# Altium PCB SupplyBox_v4.PcbDoc (part 1 of 2)
Units mil, origin at the board's own origin, x right, y up, seen from the top; angles counter-clockwise.
Board outline 7450 x 9000 mil, 6 copper layers (Top Layer, +50V, +5V, Internal, -50V, Bottom Layer), stack 60.56 mil thick; 252 components, 122 nets, 898 pads, 473 vias.
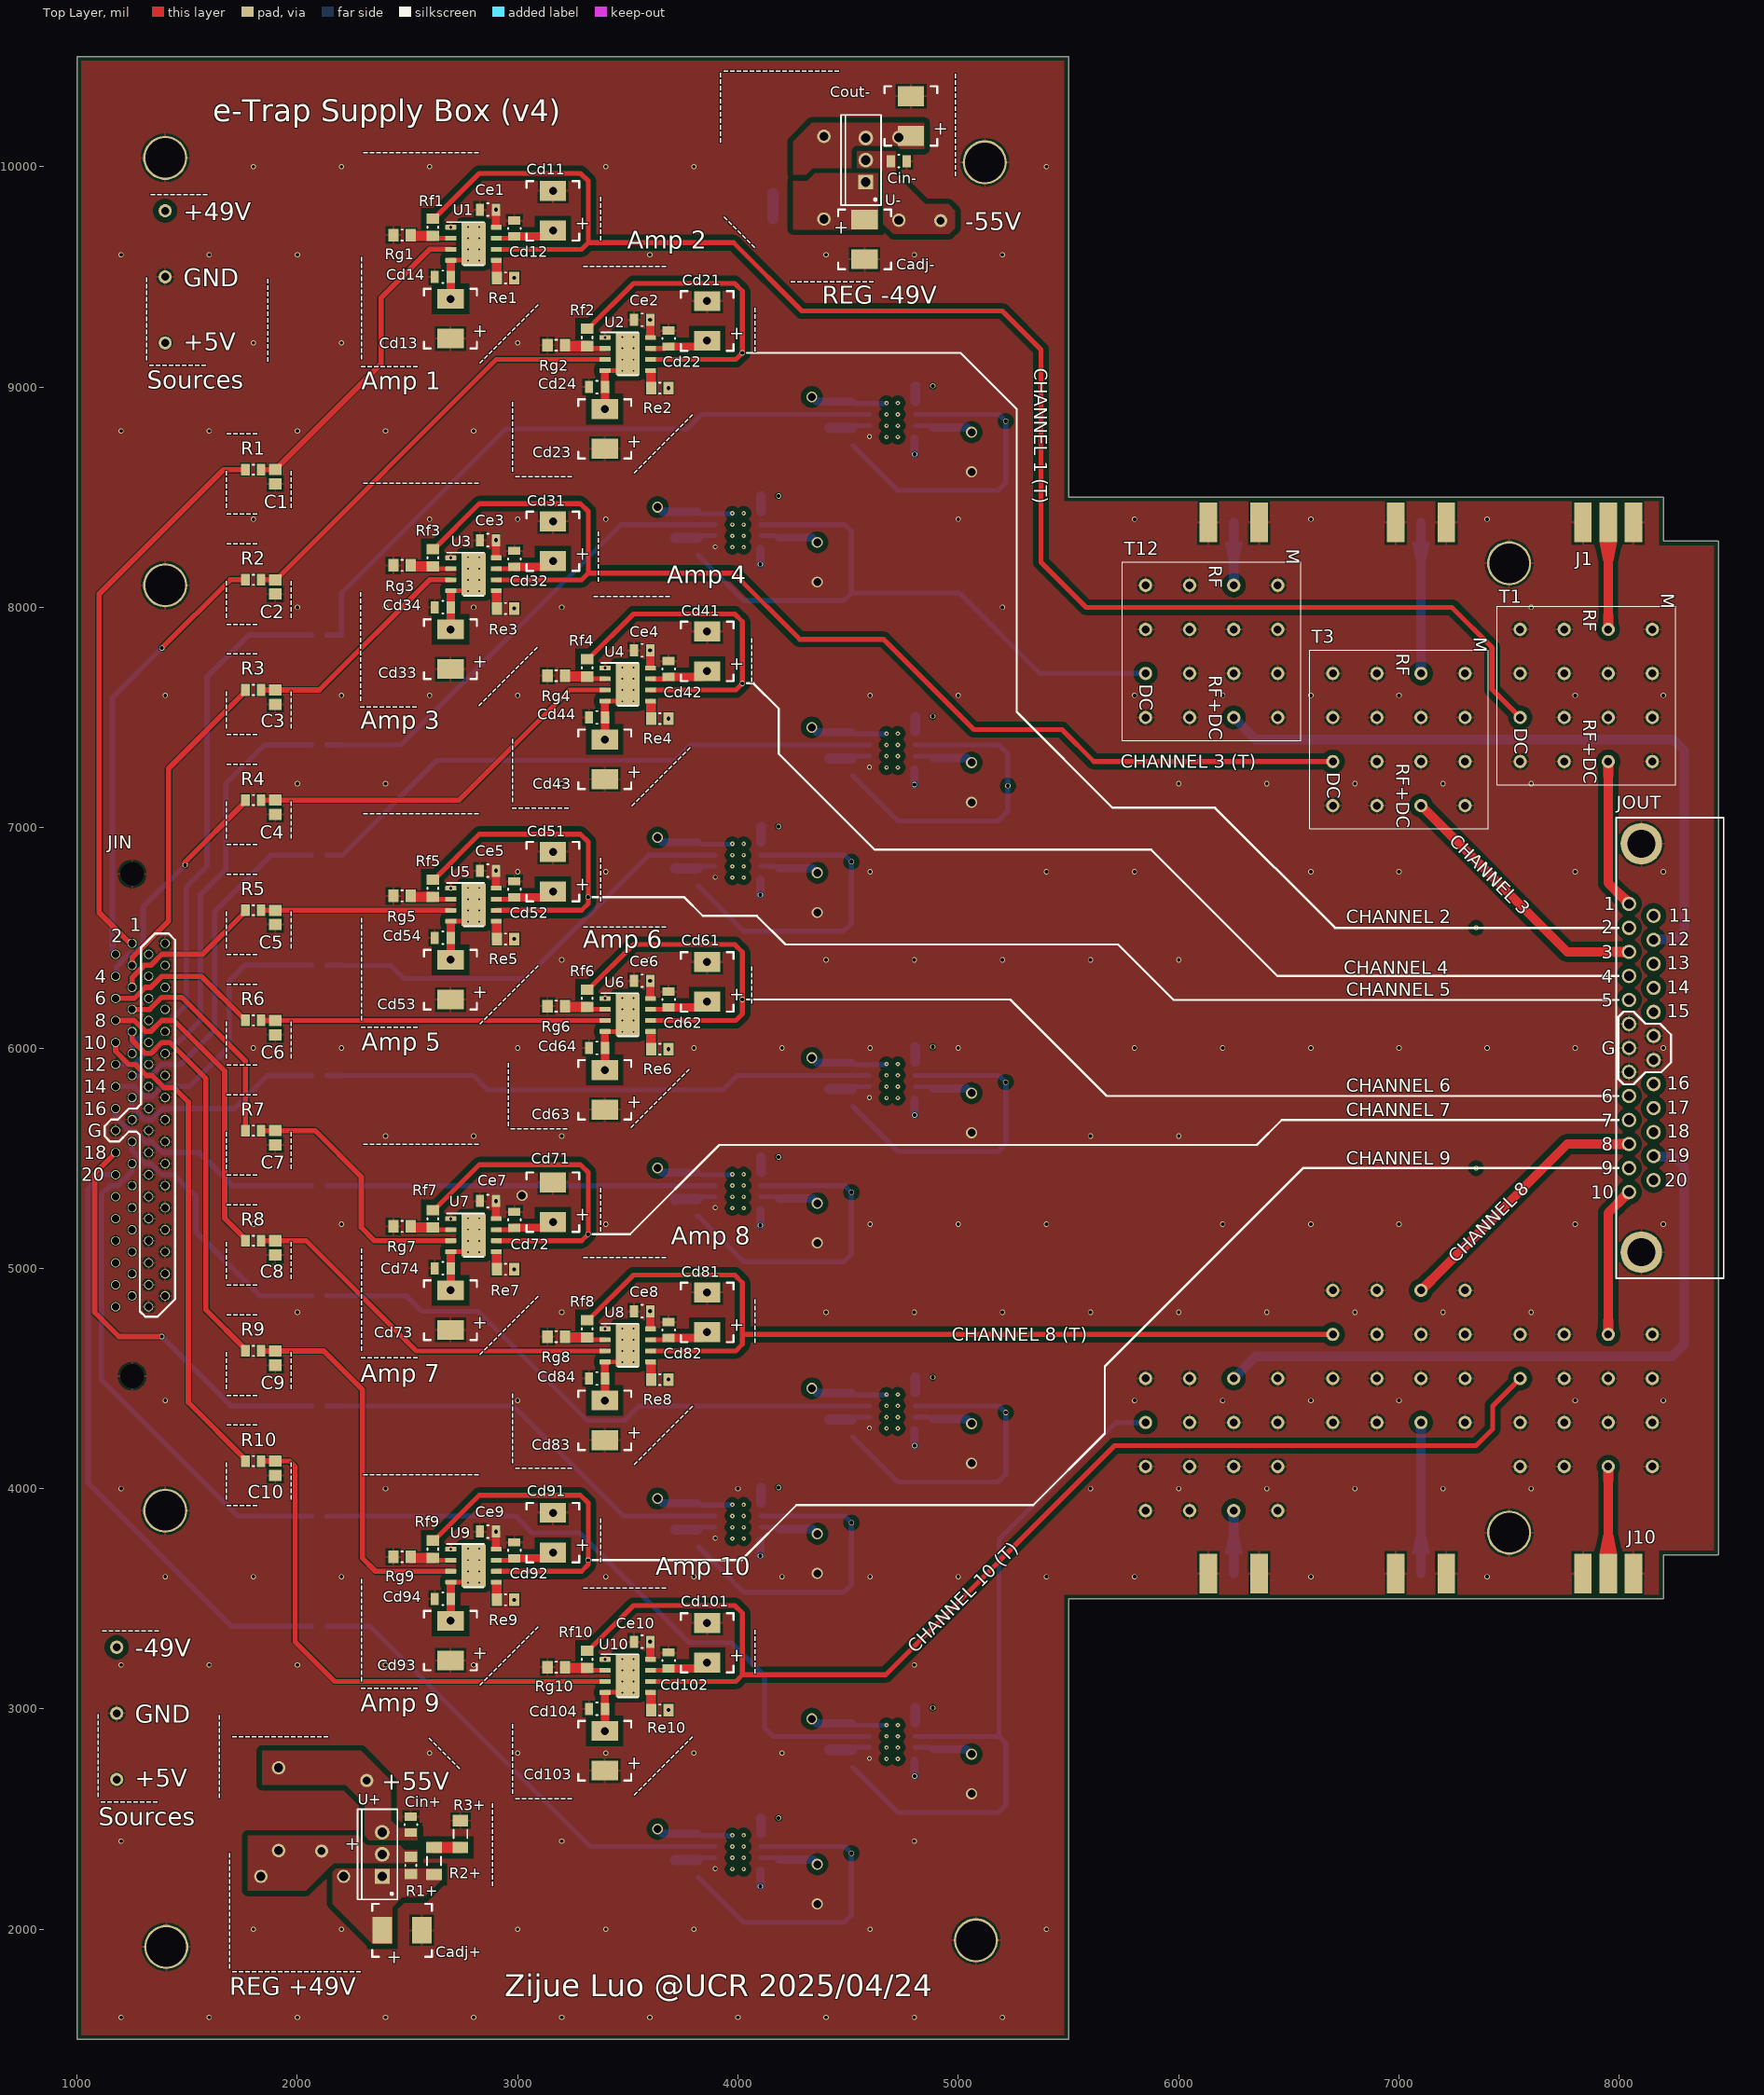
[diagram p0: Top Layer view]
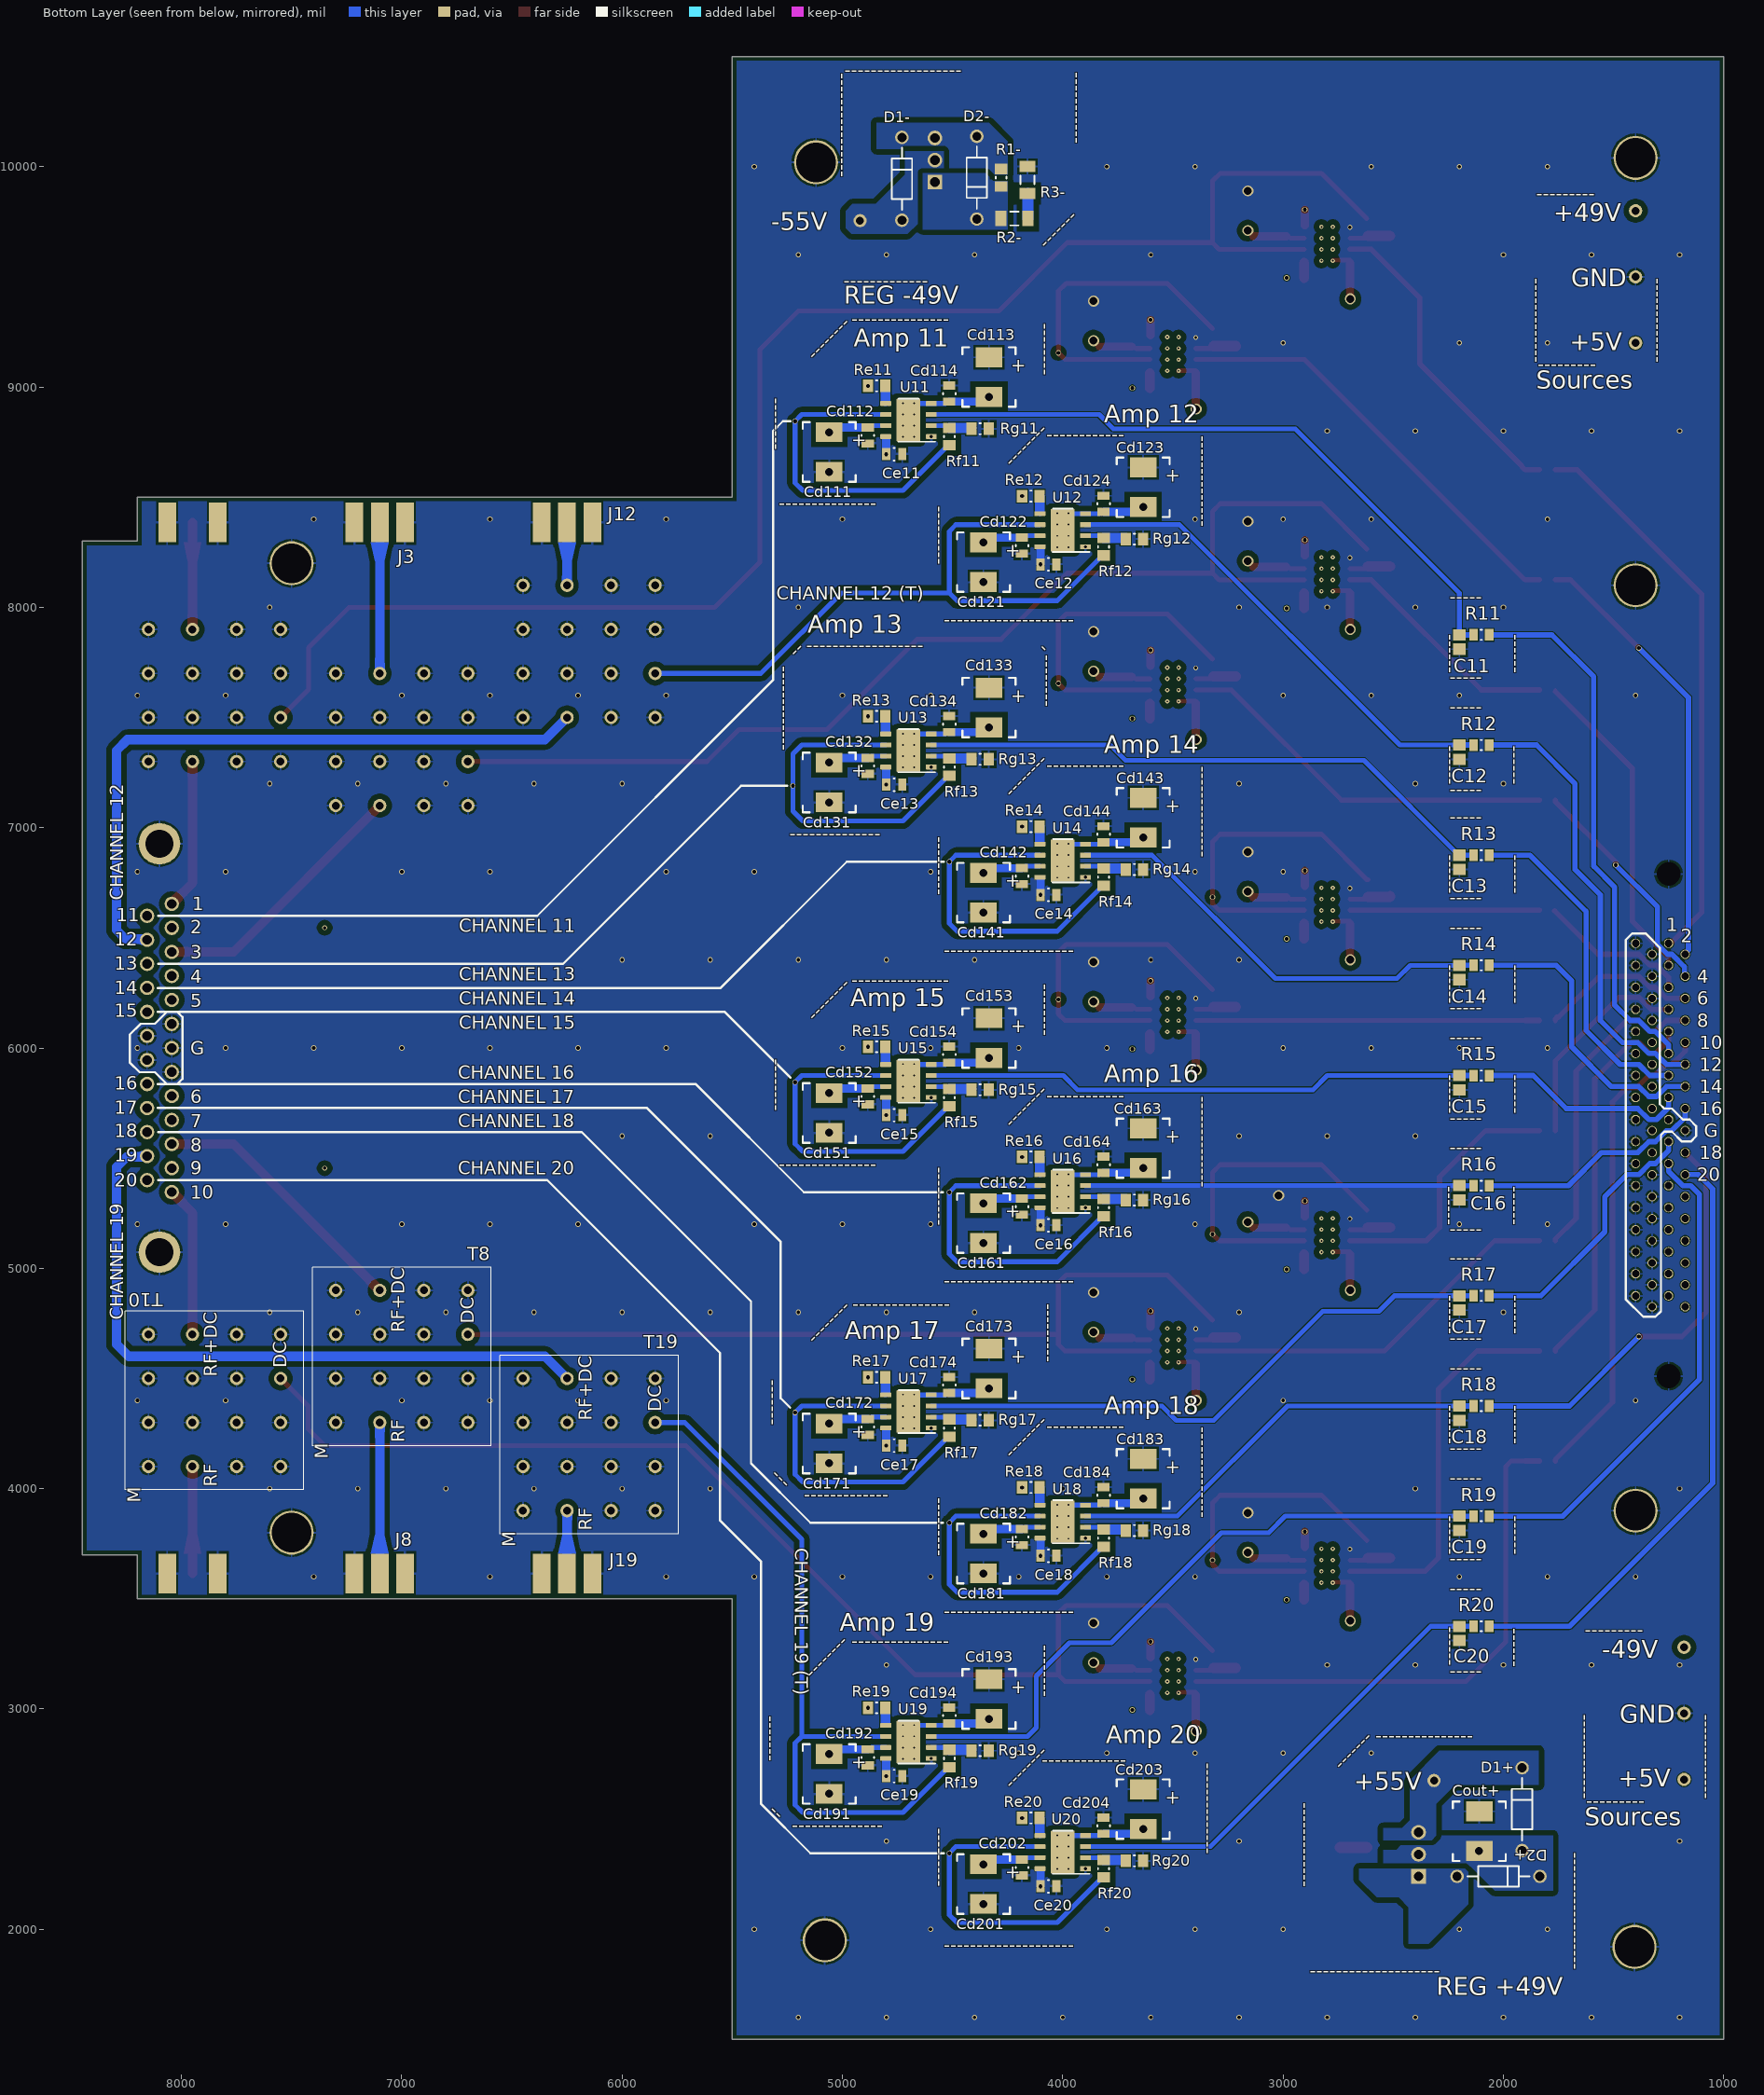
[diagram p1: Bottom Layer view, seen from below]
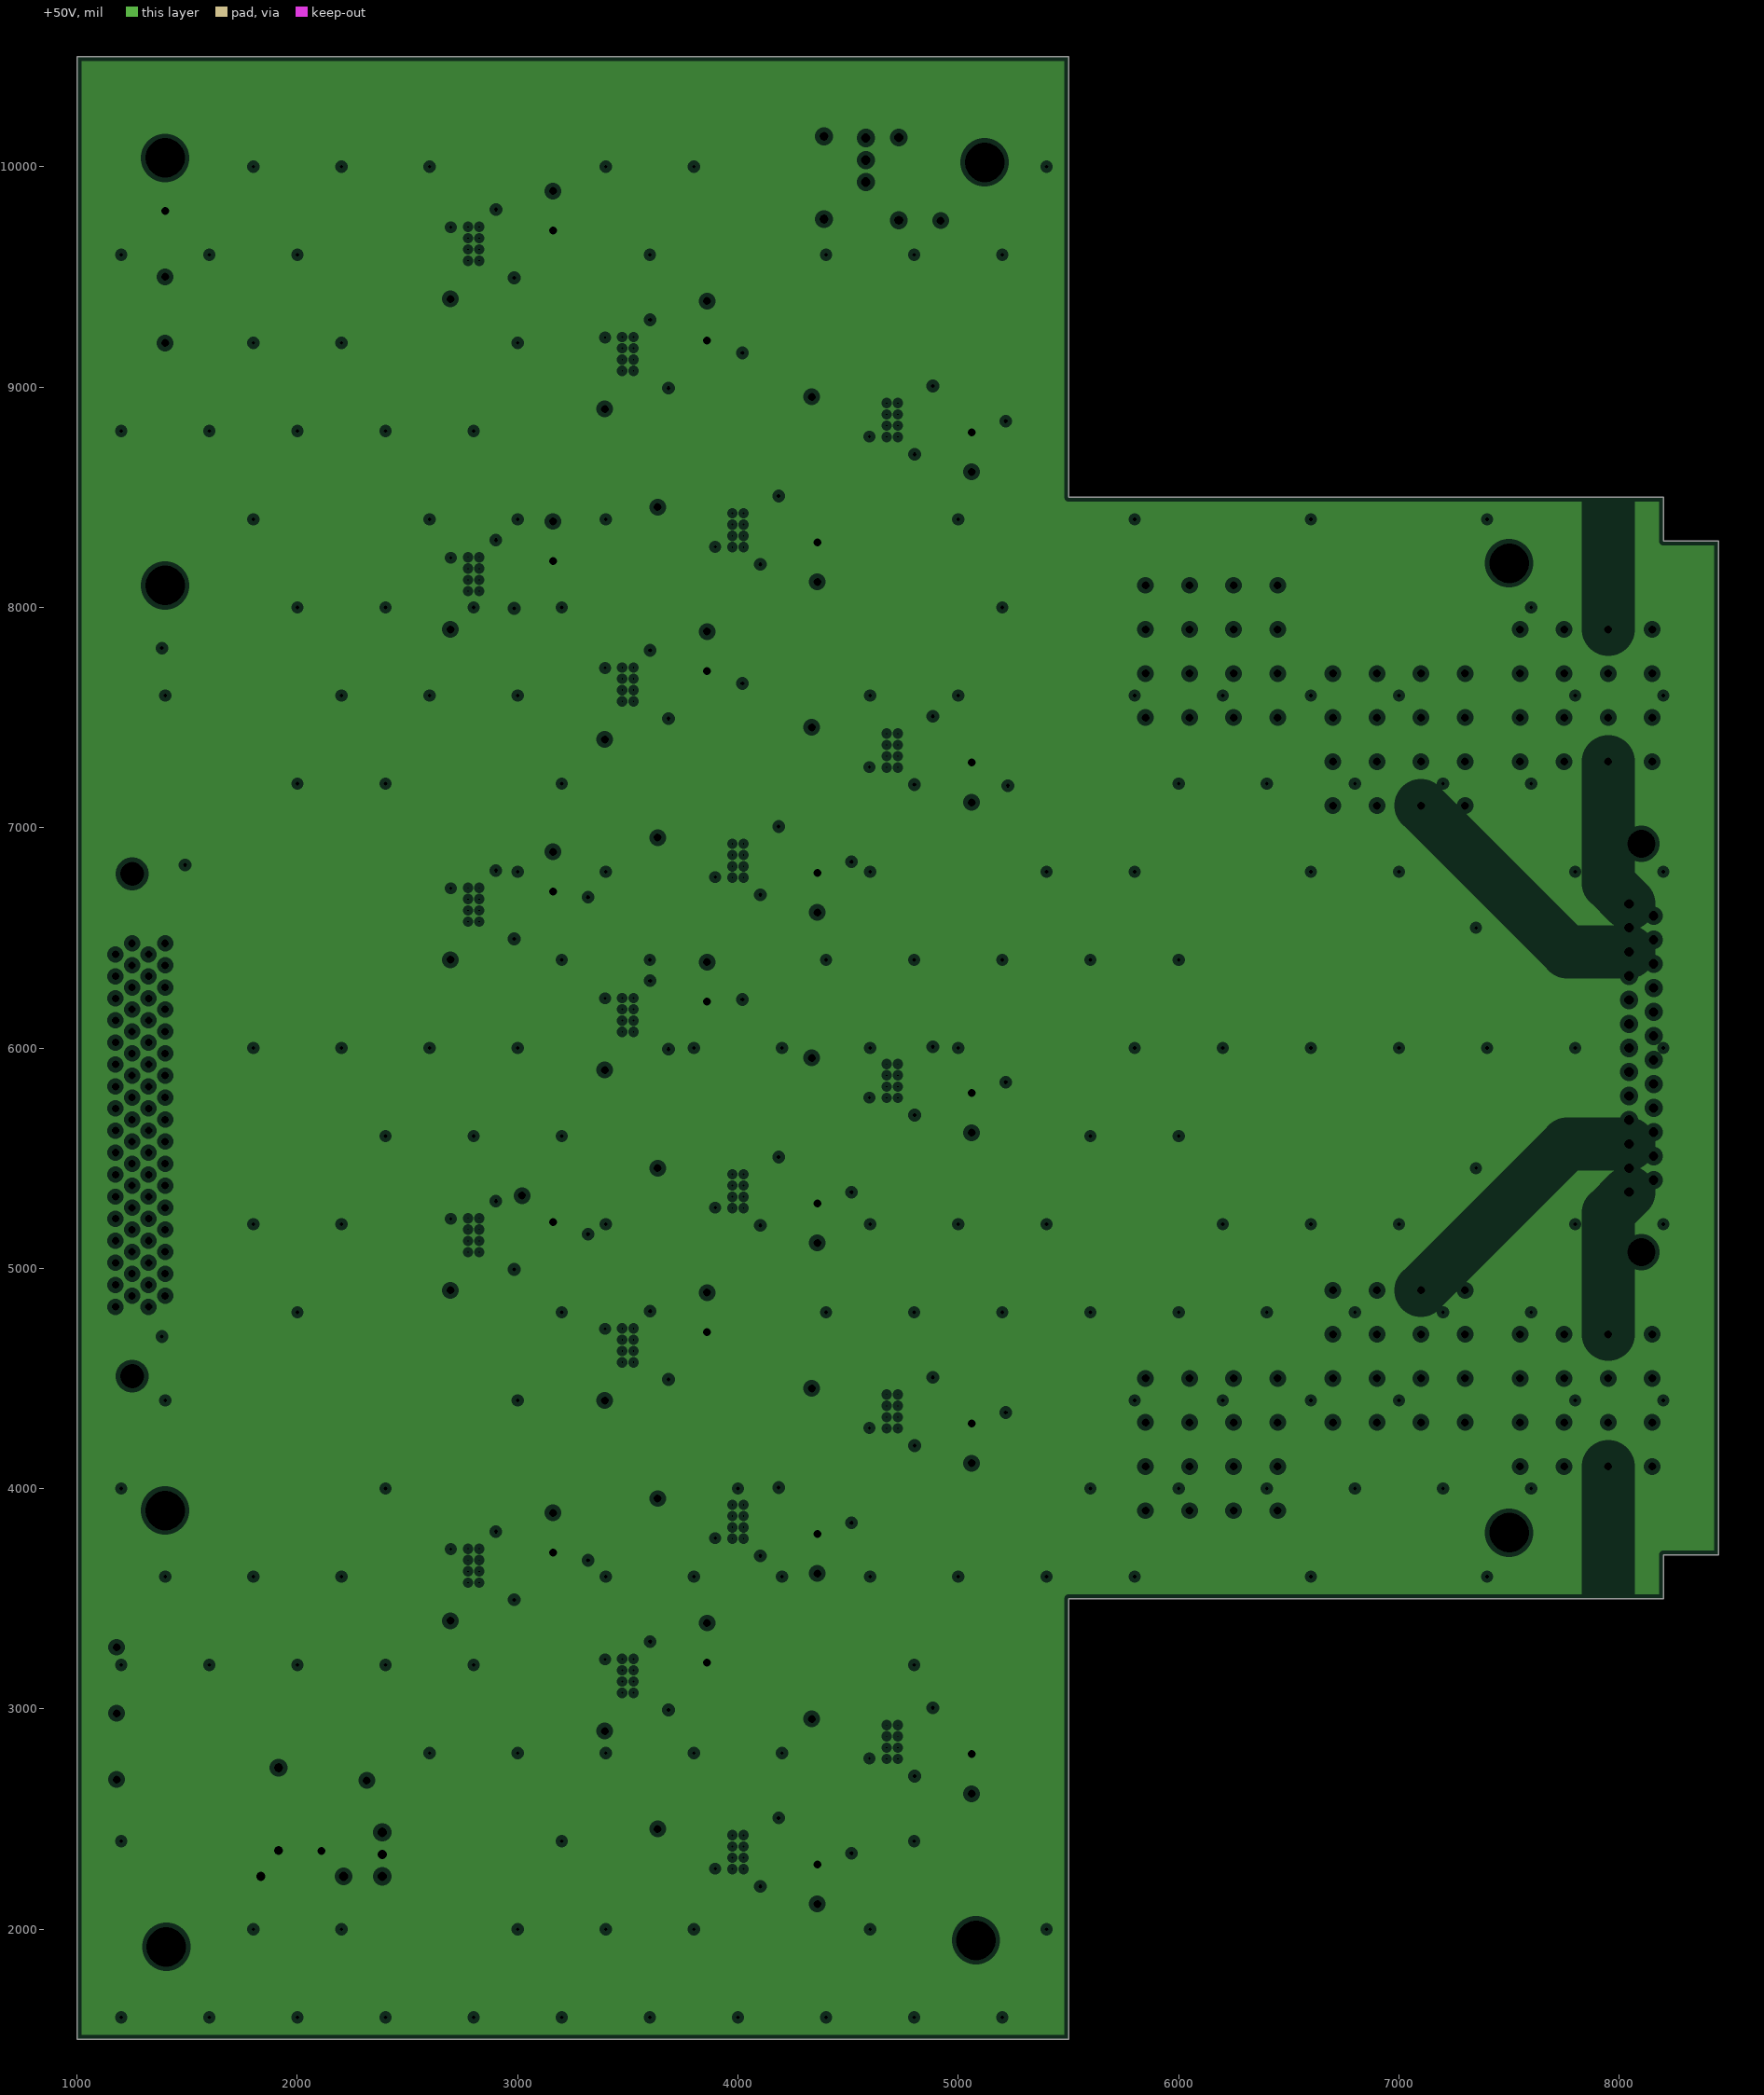
[diagram p2: +50V, clearances drawn from the general rule]
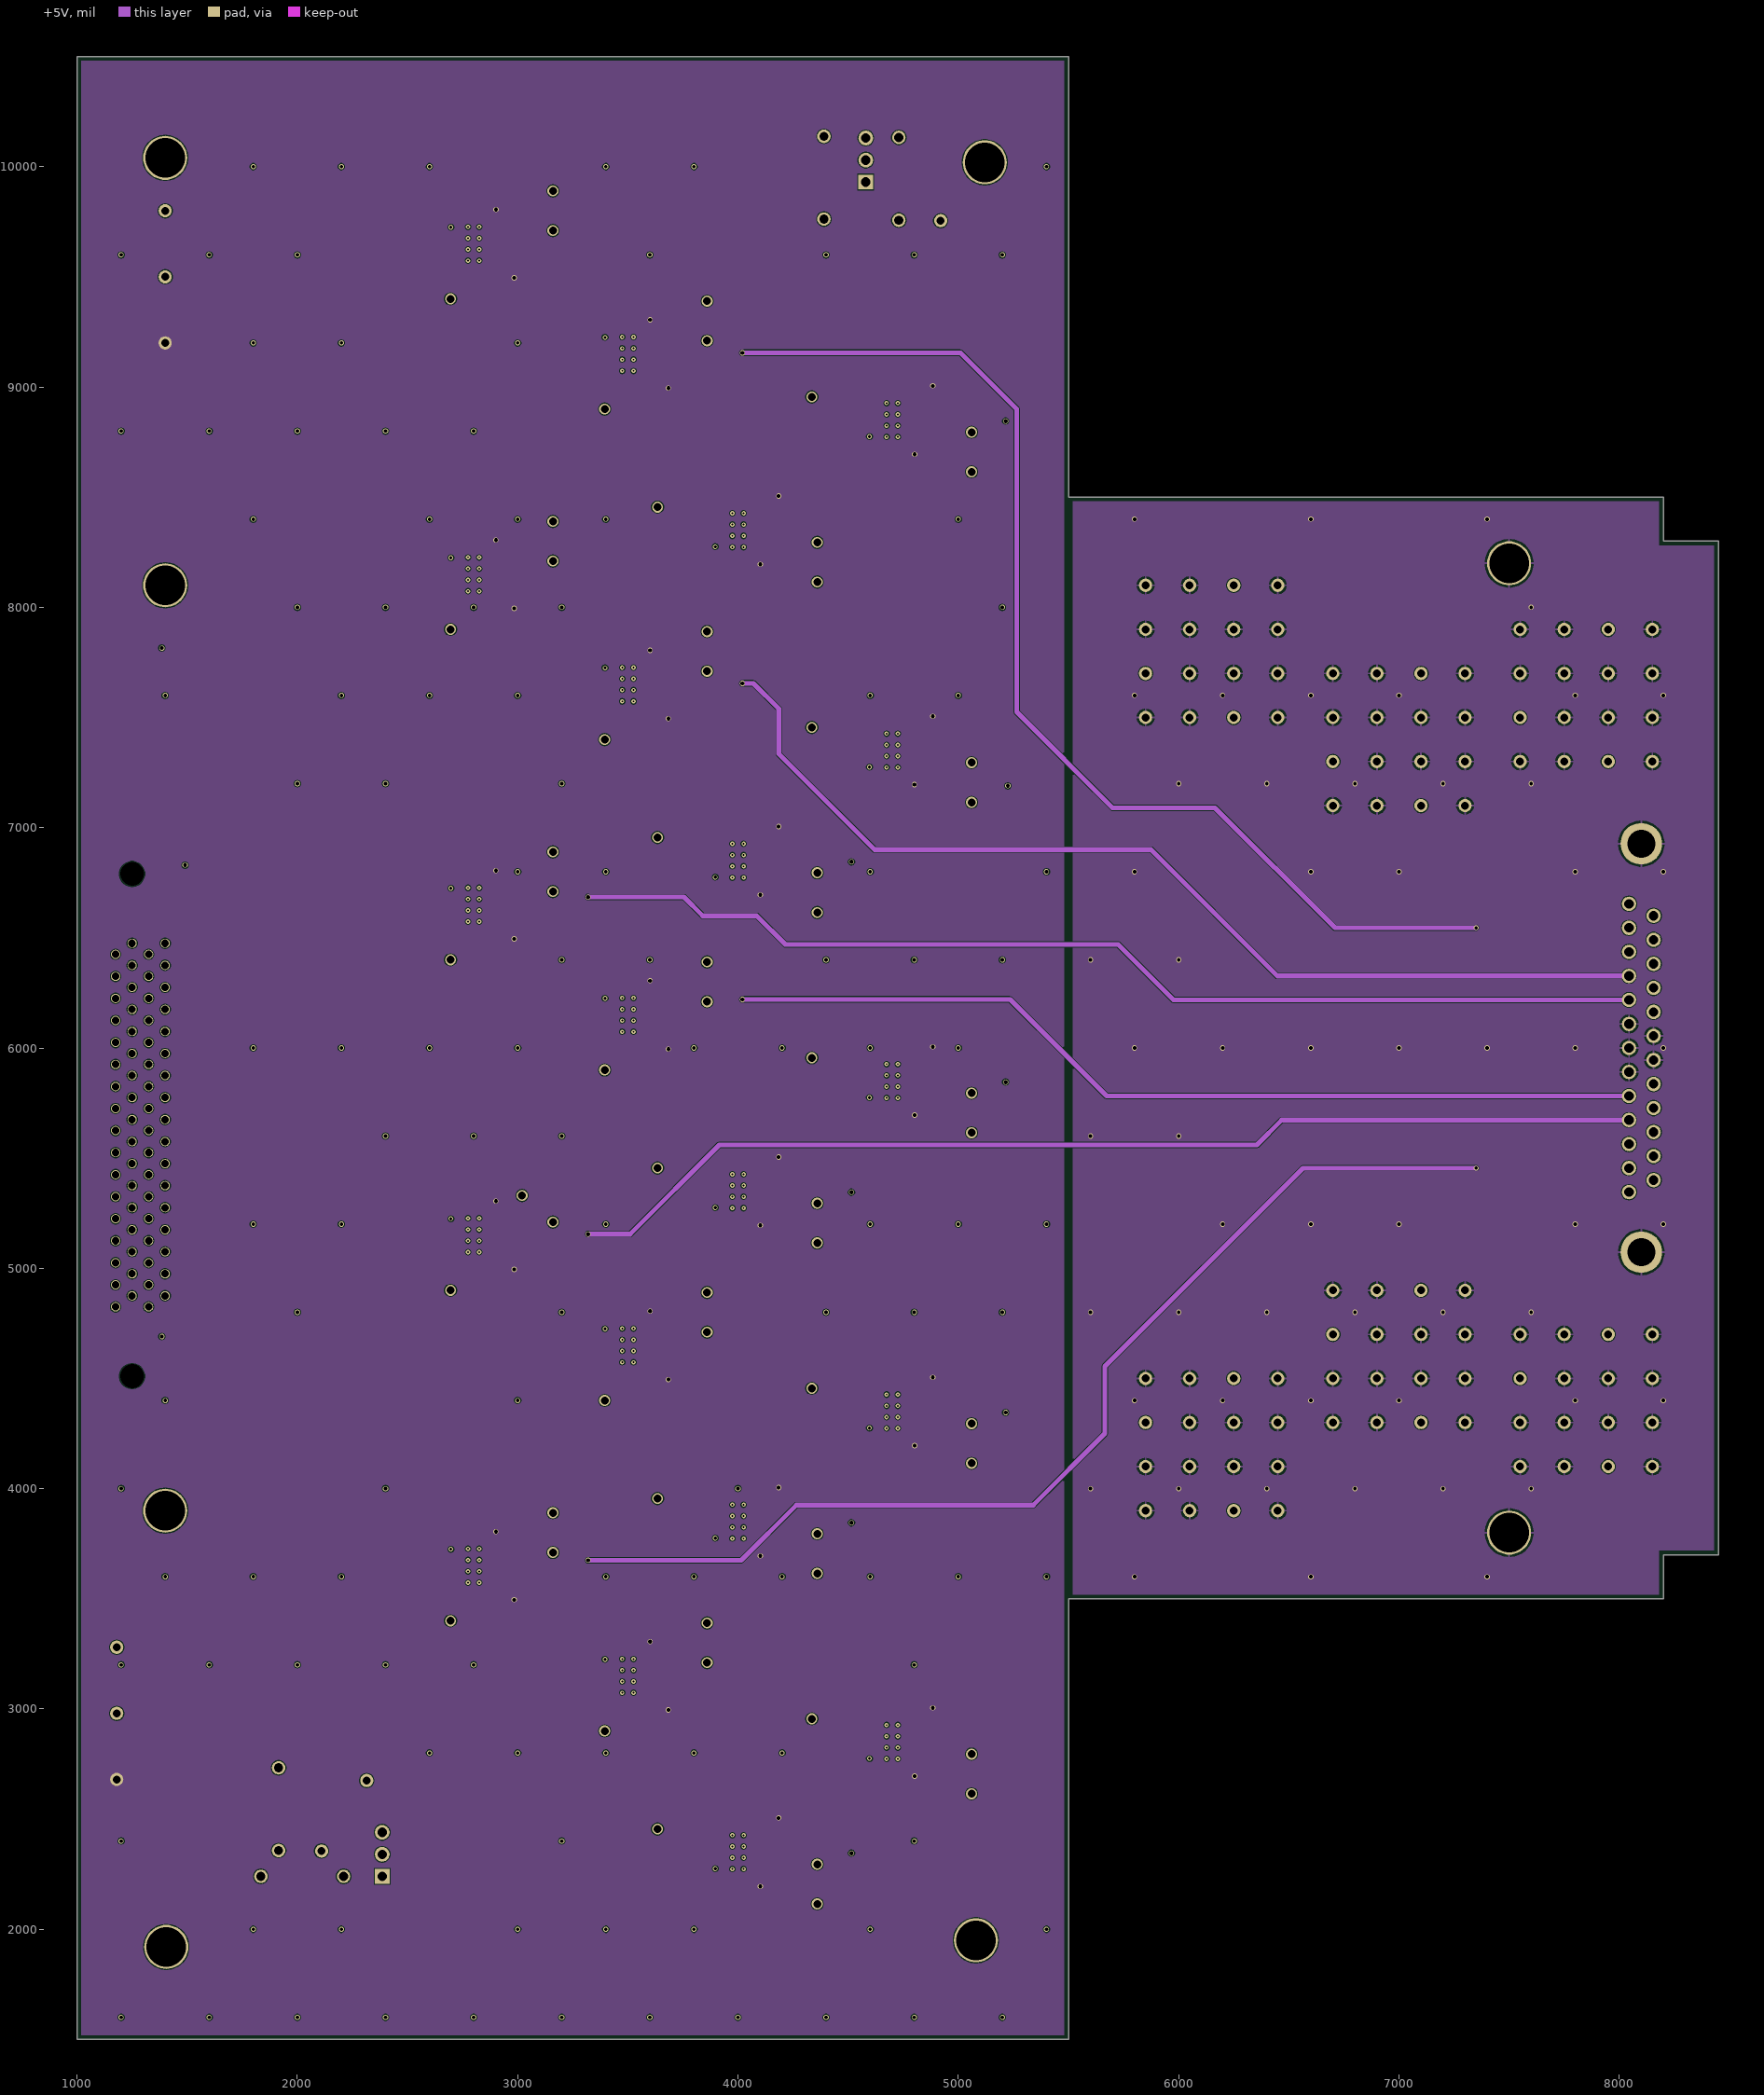
[diagram p3: +5V]